# Altium PCB HYDRA_V4_NAV.PcbDoc (part 1 of 2)
Units mm, origin at the board's own origin, x right, y up, seen from the top; angles counter-clockwise.
Board outline 50 x 44 mm, 4 copper layers (TOP SIG, GND, PWR+SIG, BOTTOM SIG), stack 1.586 mm thick; 165 components, 153 nets, 675 pads, 264 vias.
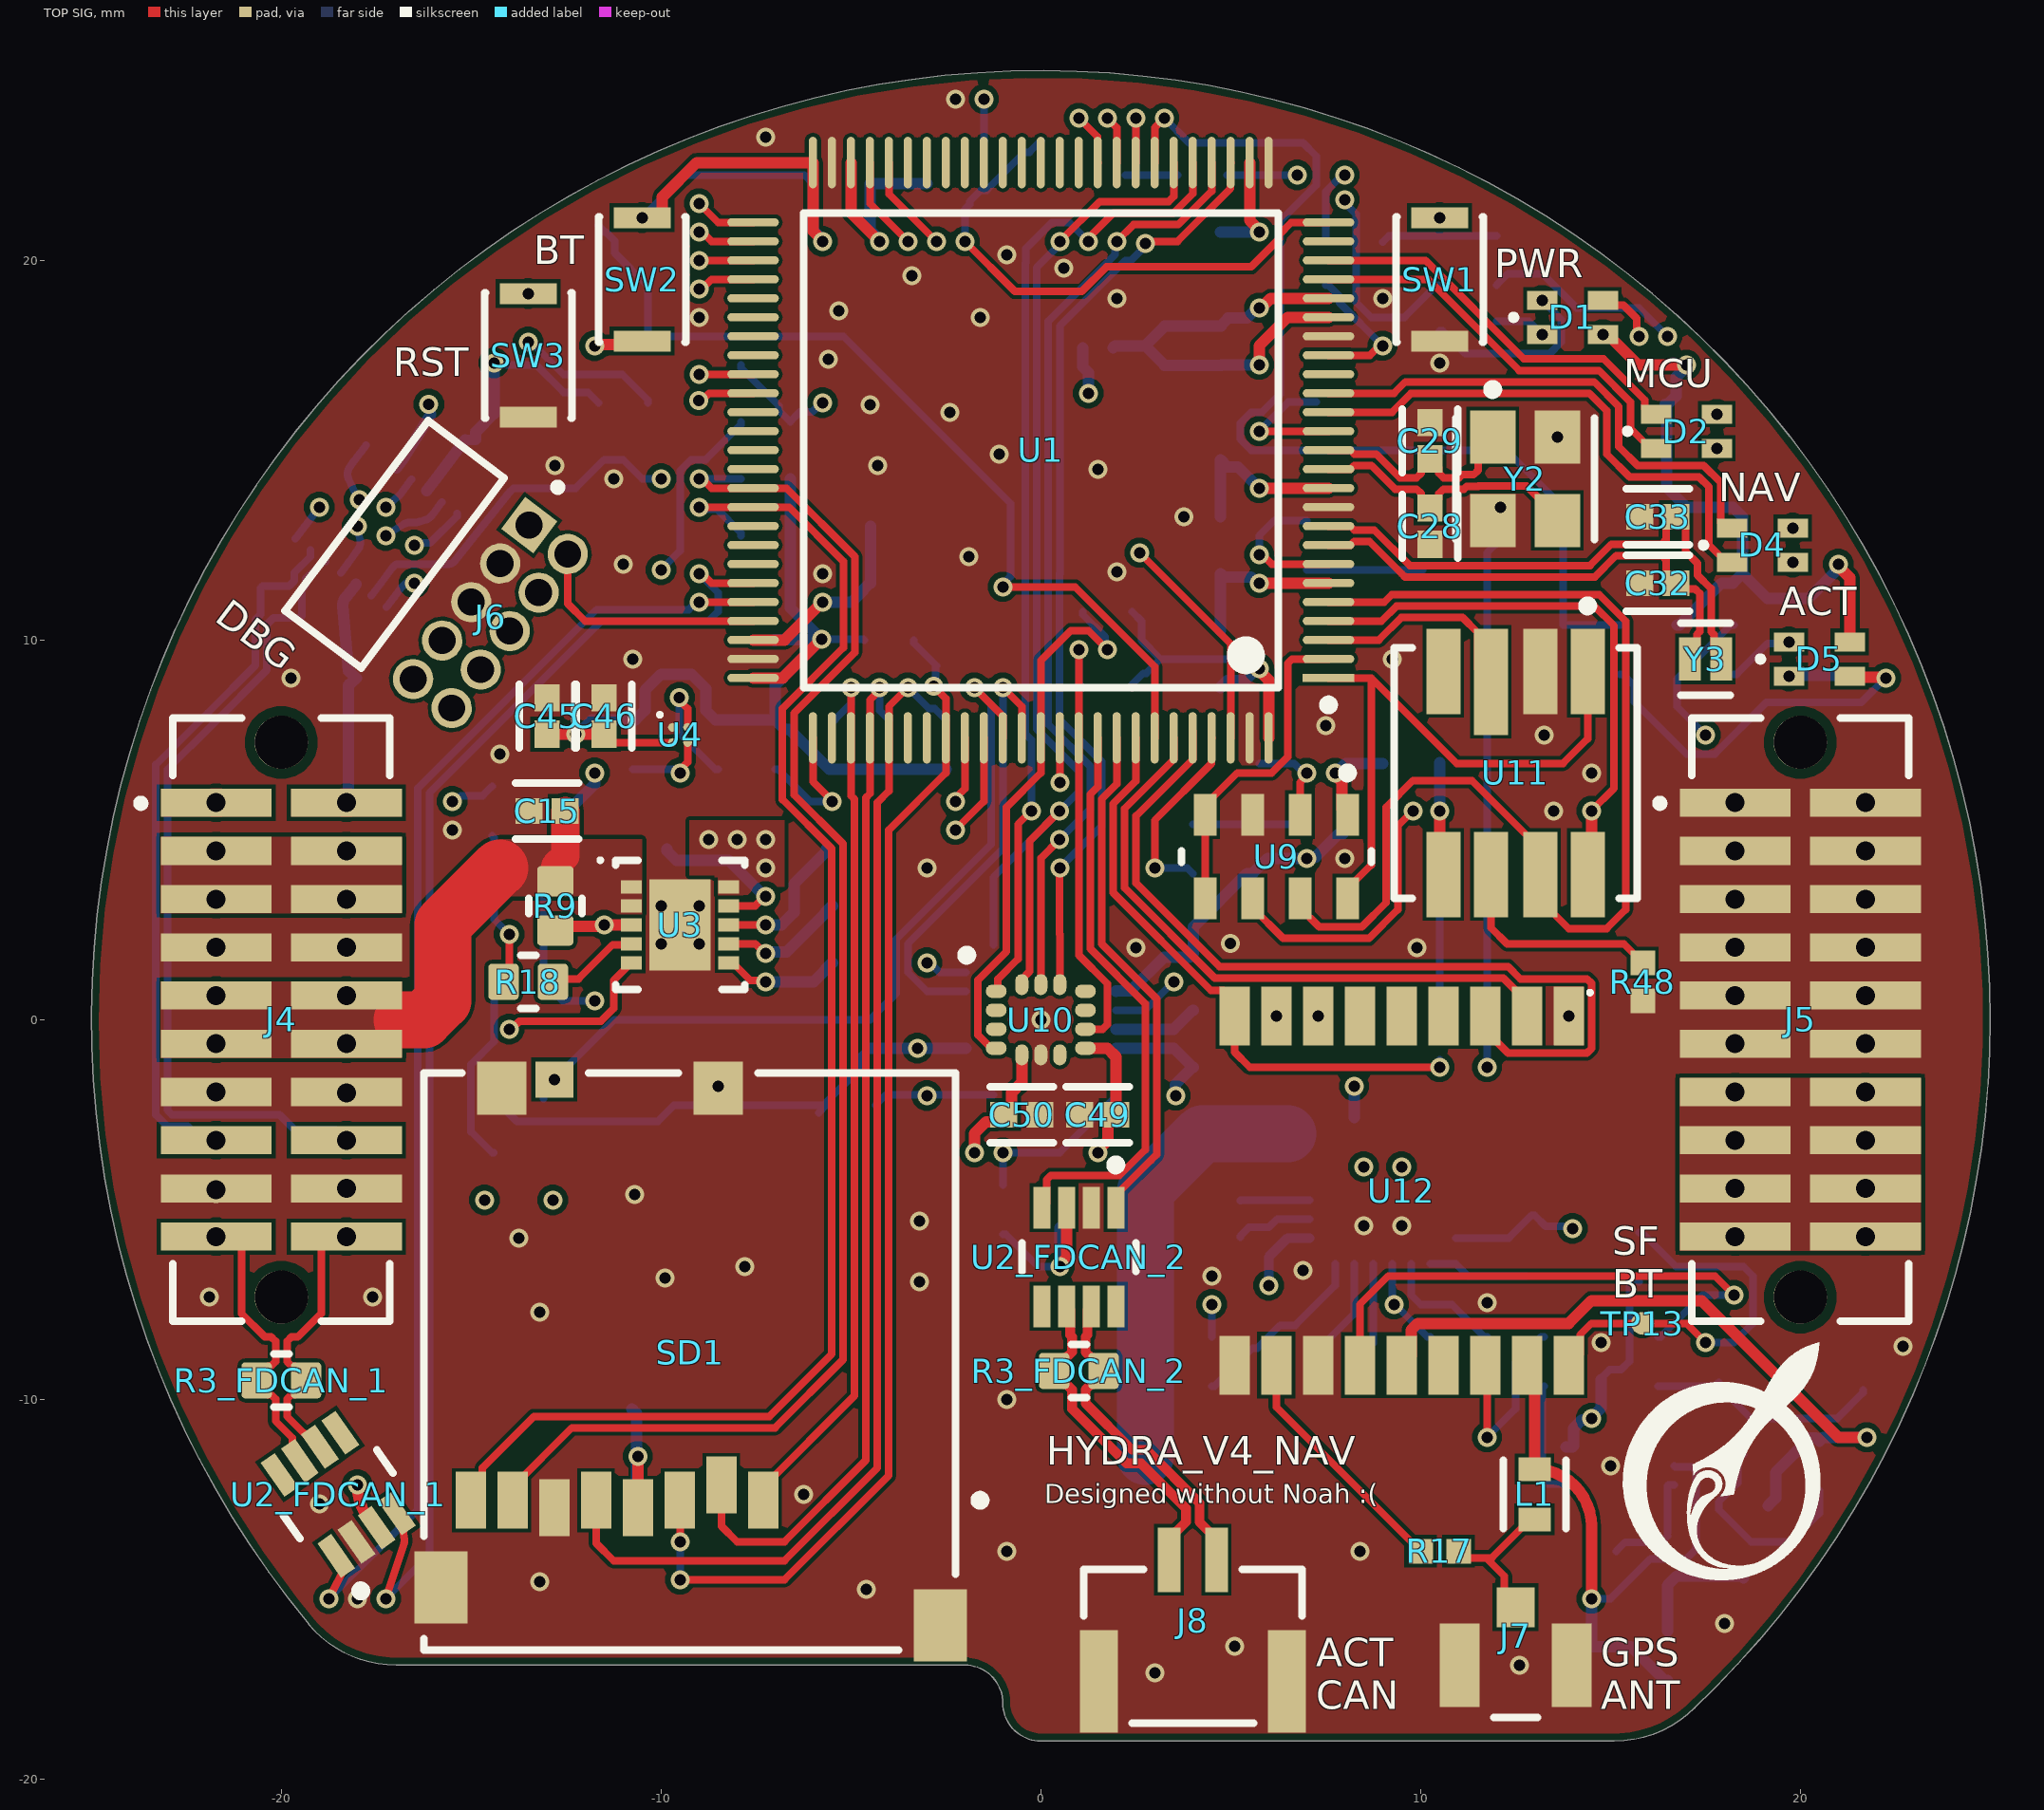
[diagram p0: TOP SIG view]
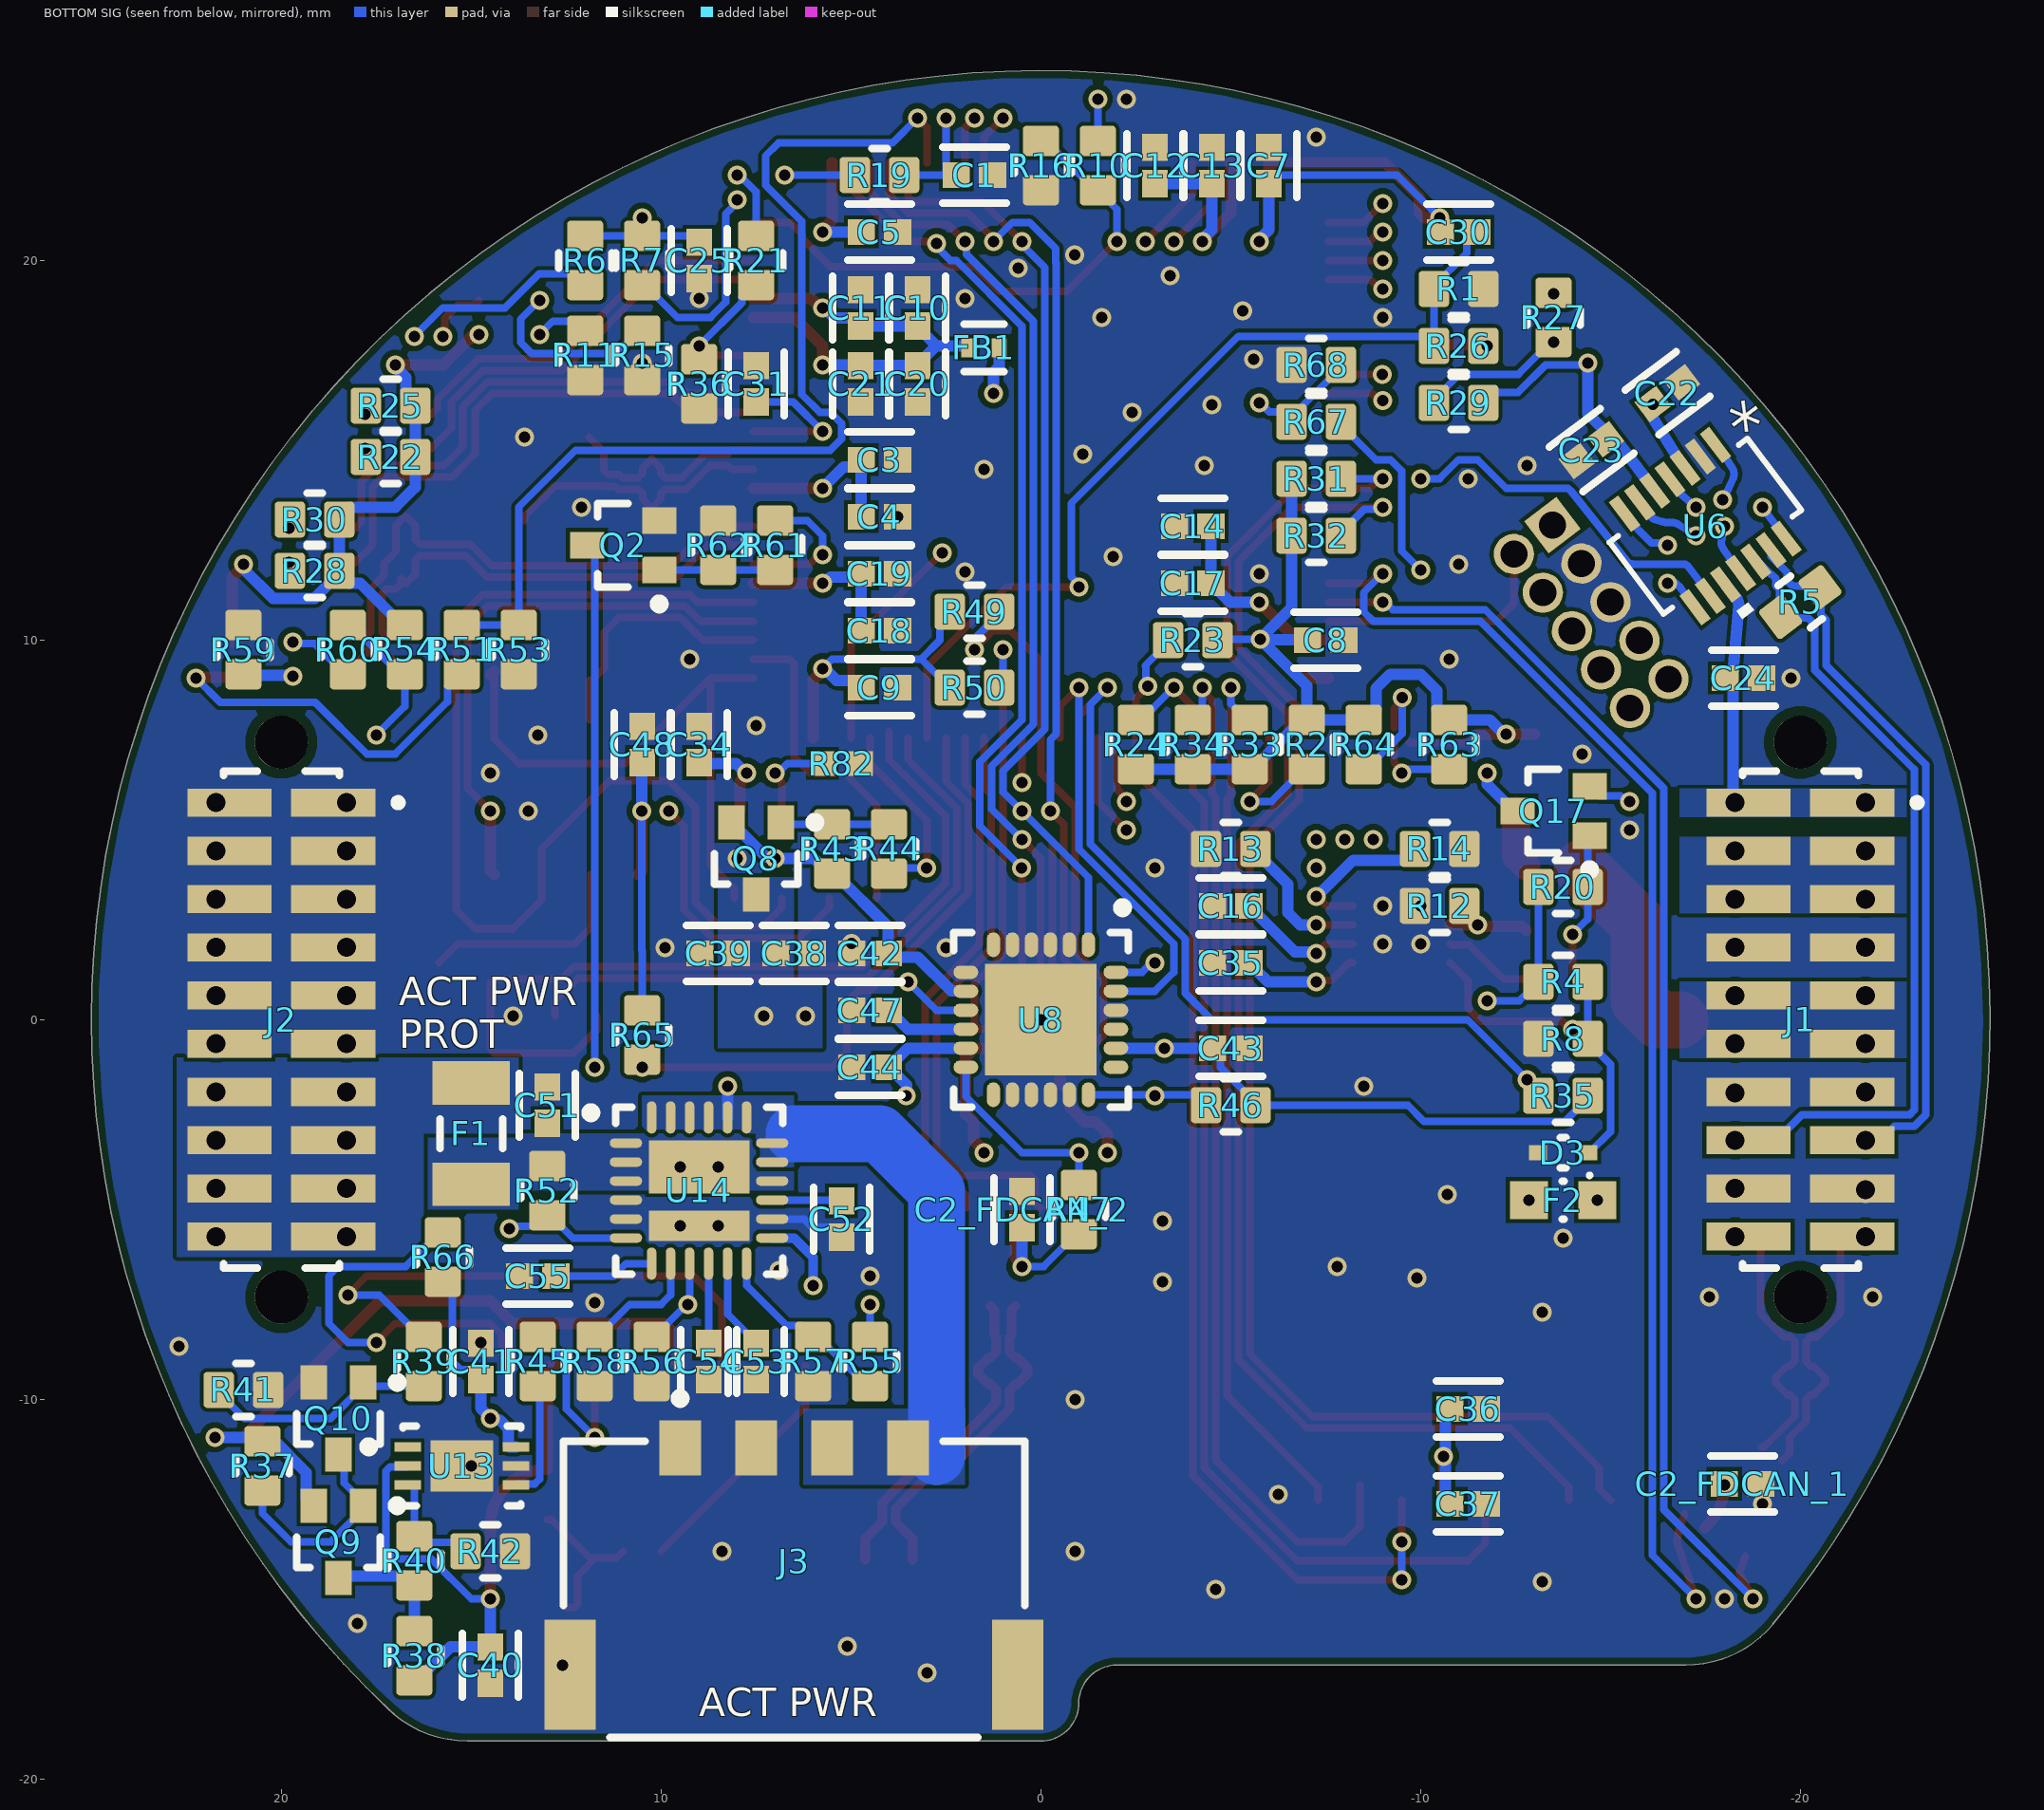
[diagram p1: BOTTOM SIG view, seen from below]
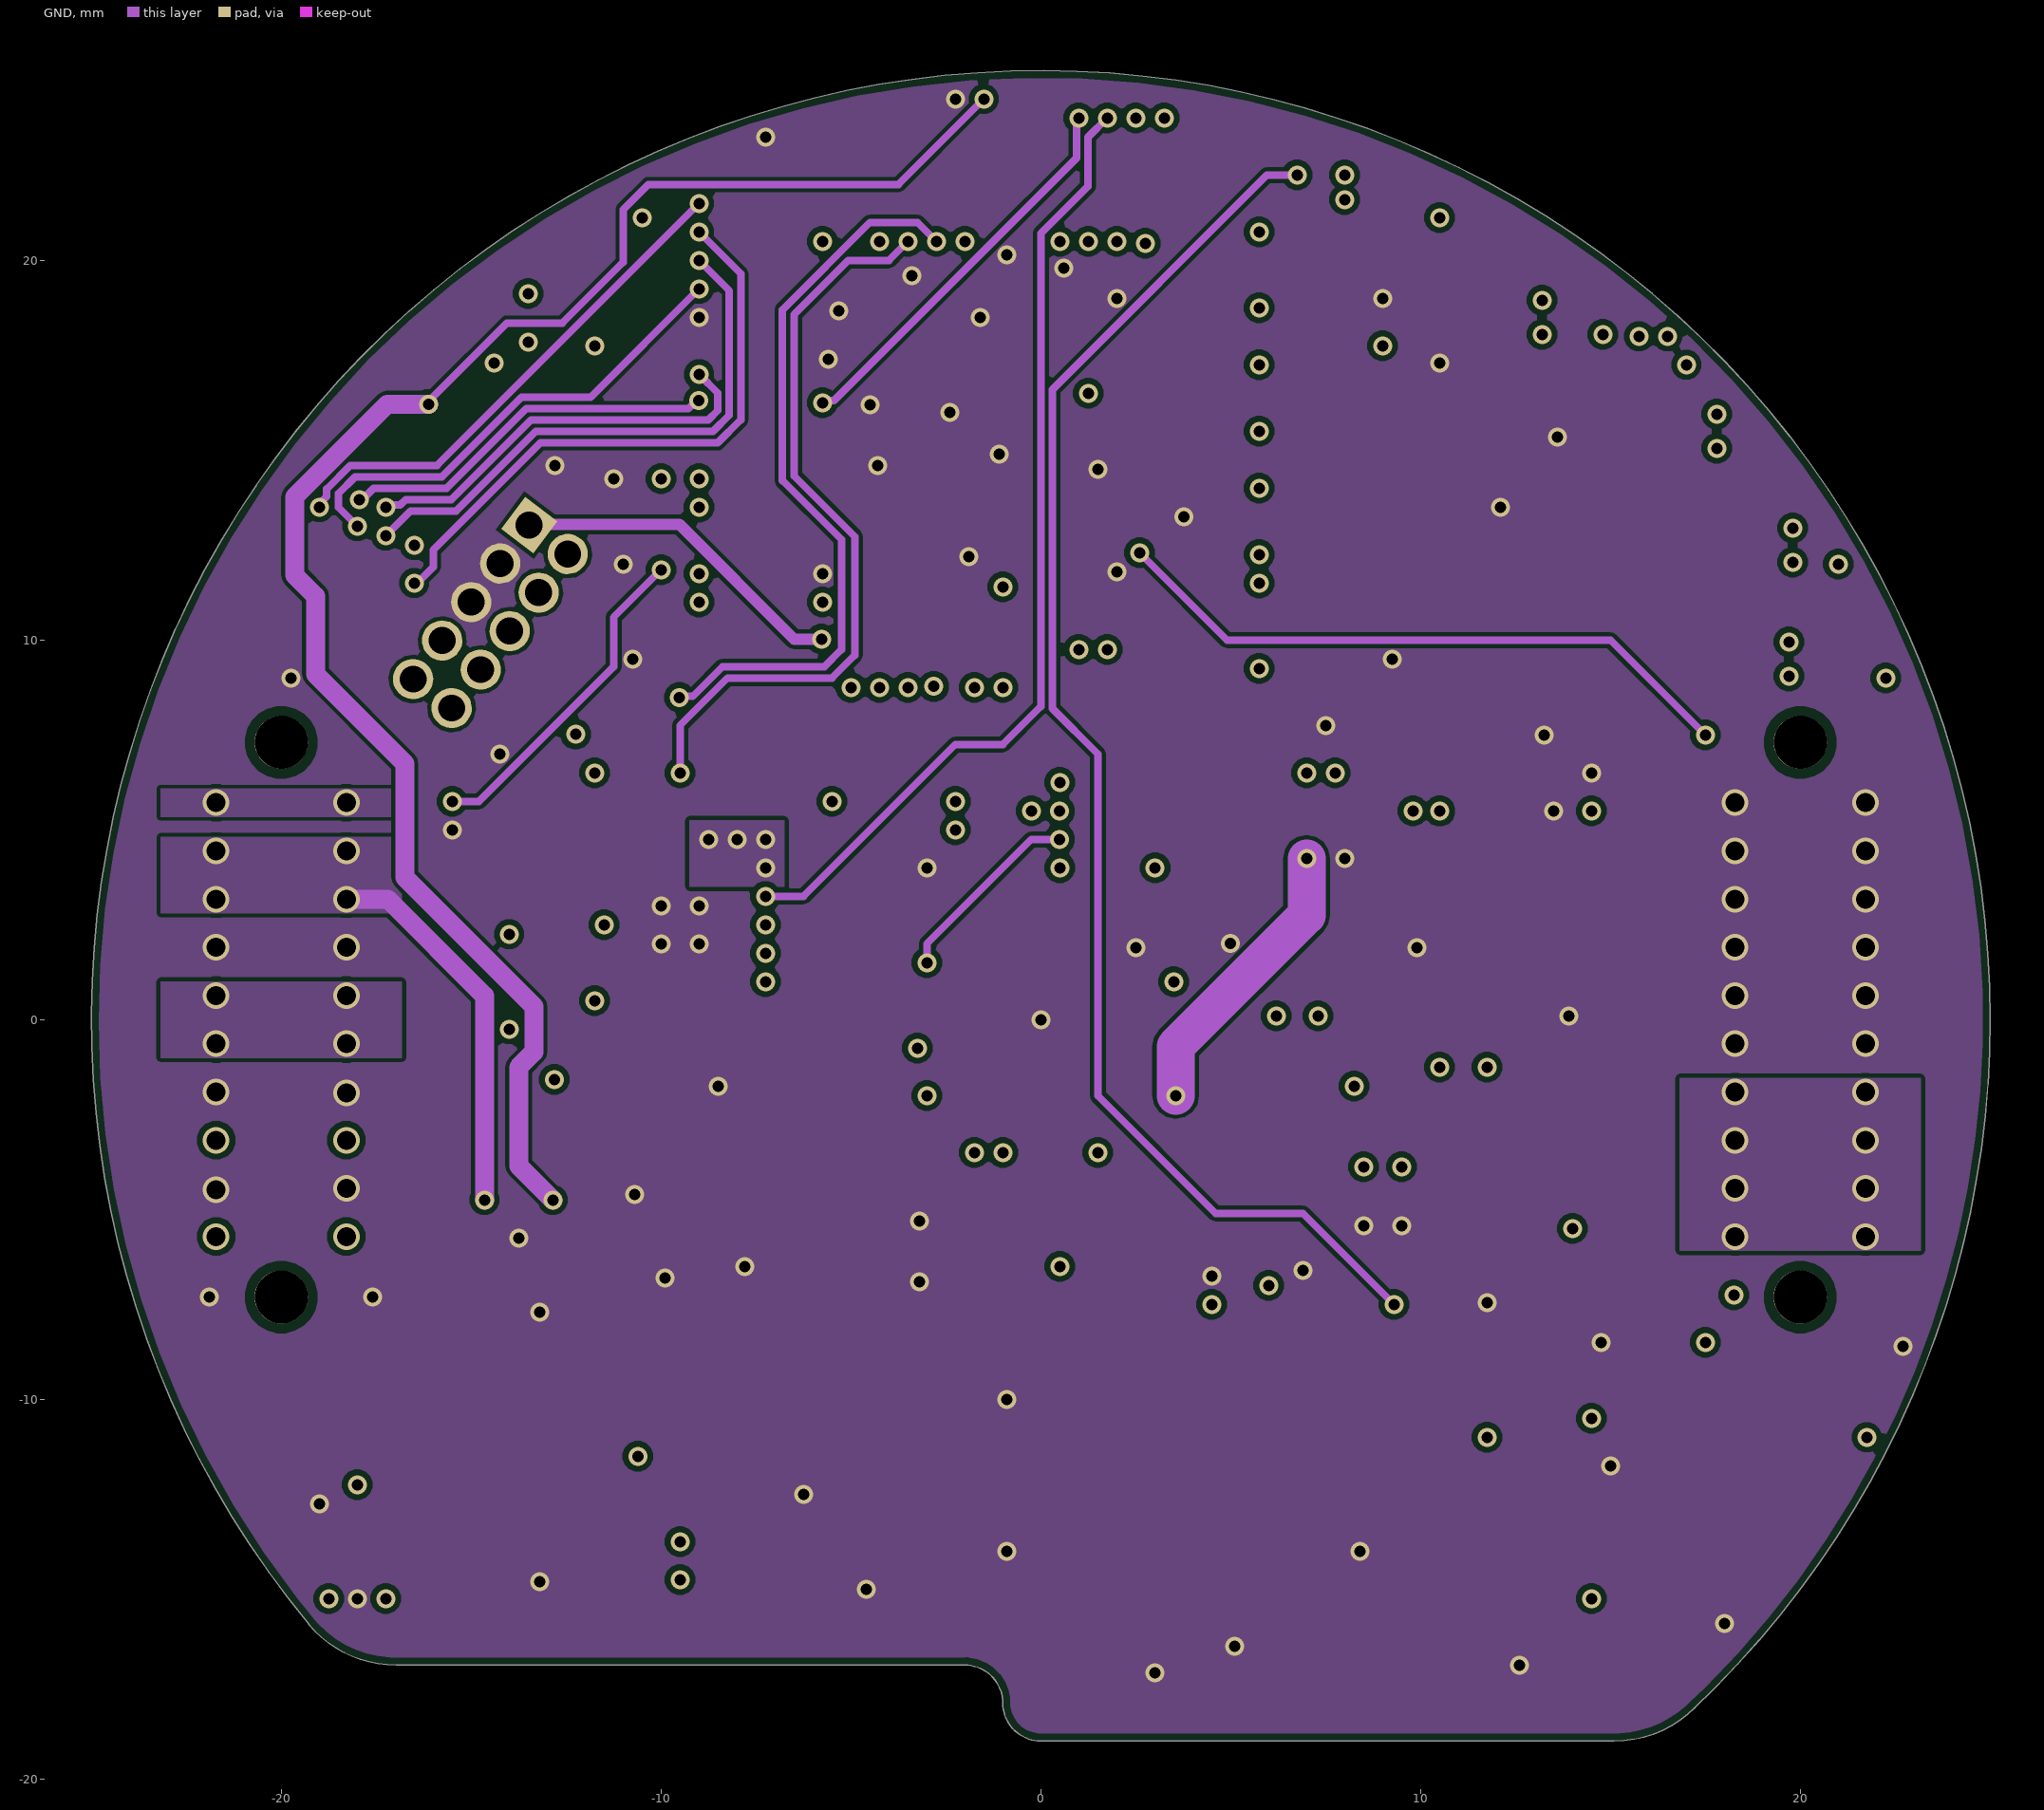
[diagram p2: GND]